# Altium PCB Radio_Receiver.PcbDoc (part 1 of 2)
Units mm, origin at the board's own origin, x right, y up, seen from the top; angles counter-clockwise.
Board outline 171.37 x 56.18 mm, 6 copper layers (Signal, Ground 1, 3V3_5V_12V, Ground 2, -5V_1V9, Ground 3), stack 1.619 mm thick; 106 components, 61 nets, 372 pads, 124 vias.
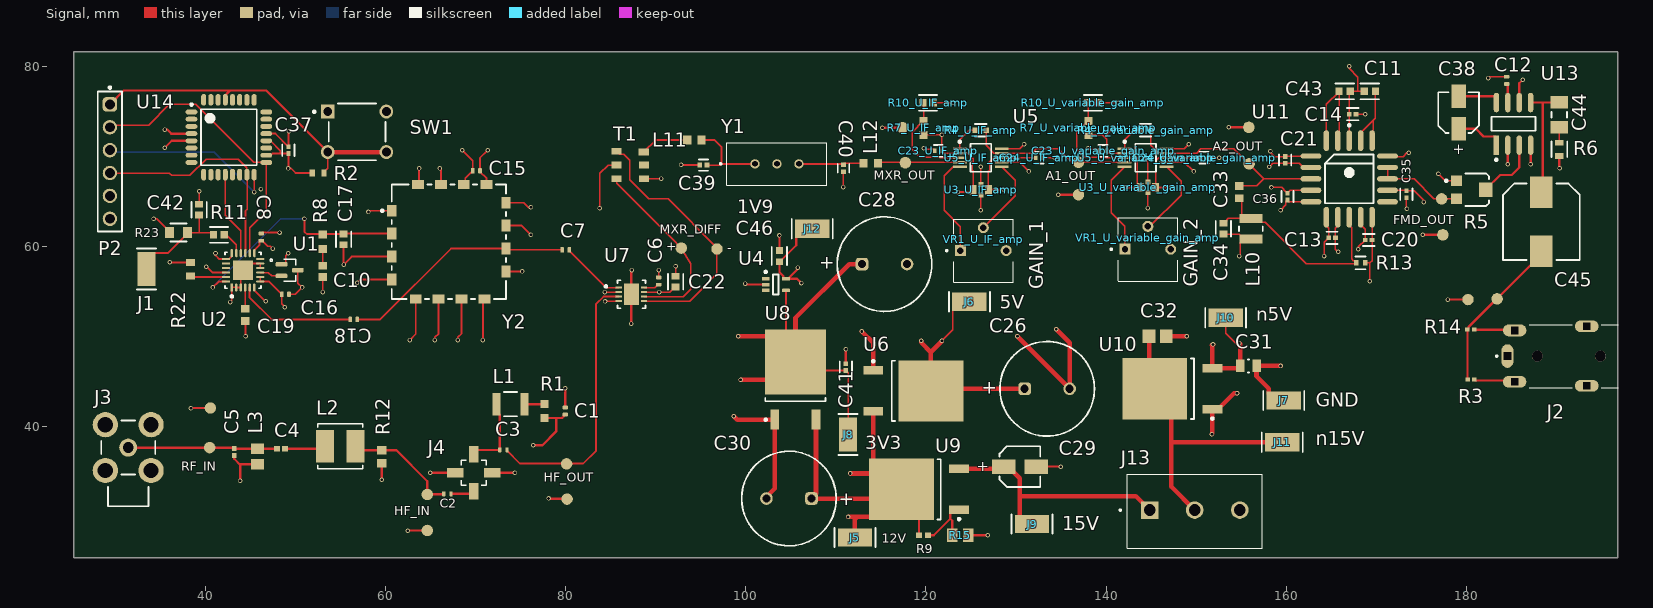
[diagram p0: Signal view]
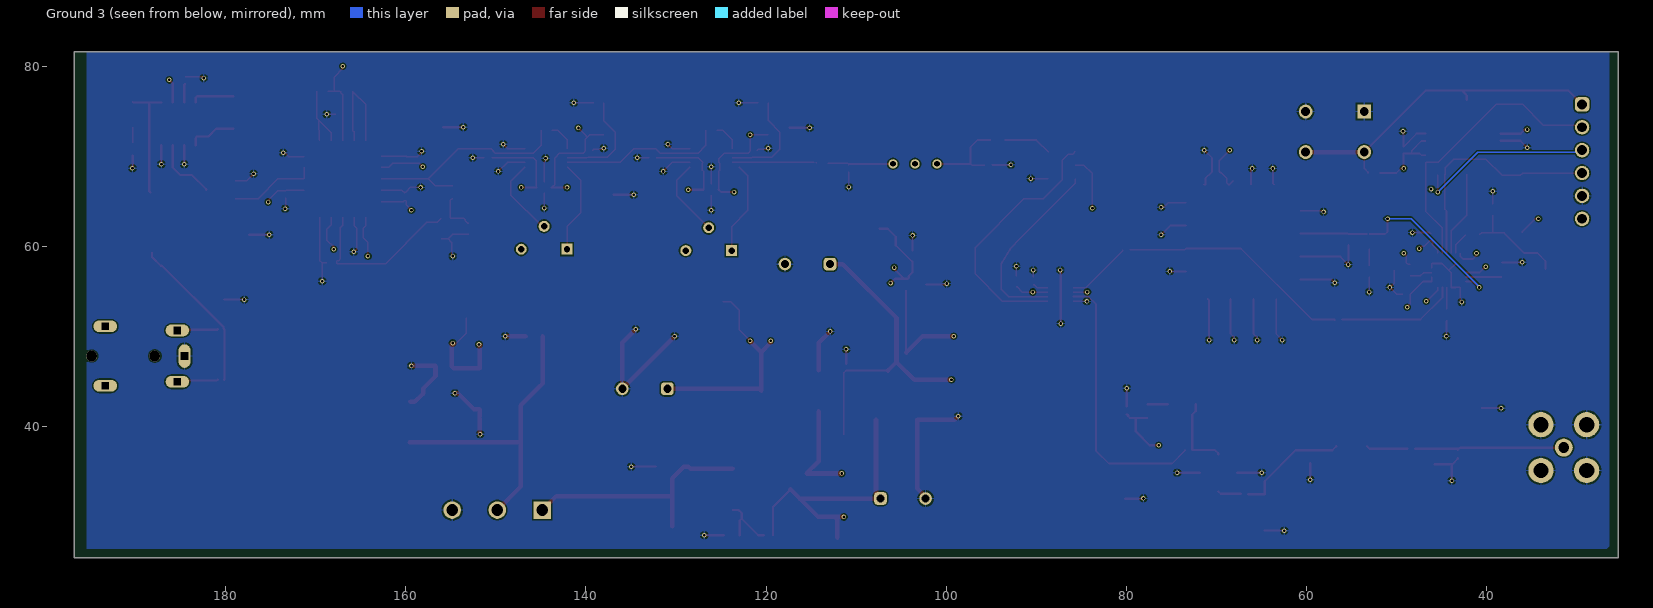
[diagram p1: Ground 3 view, seen from below]
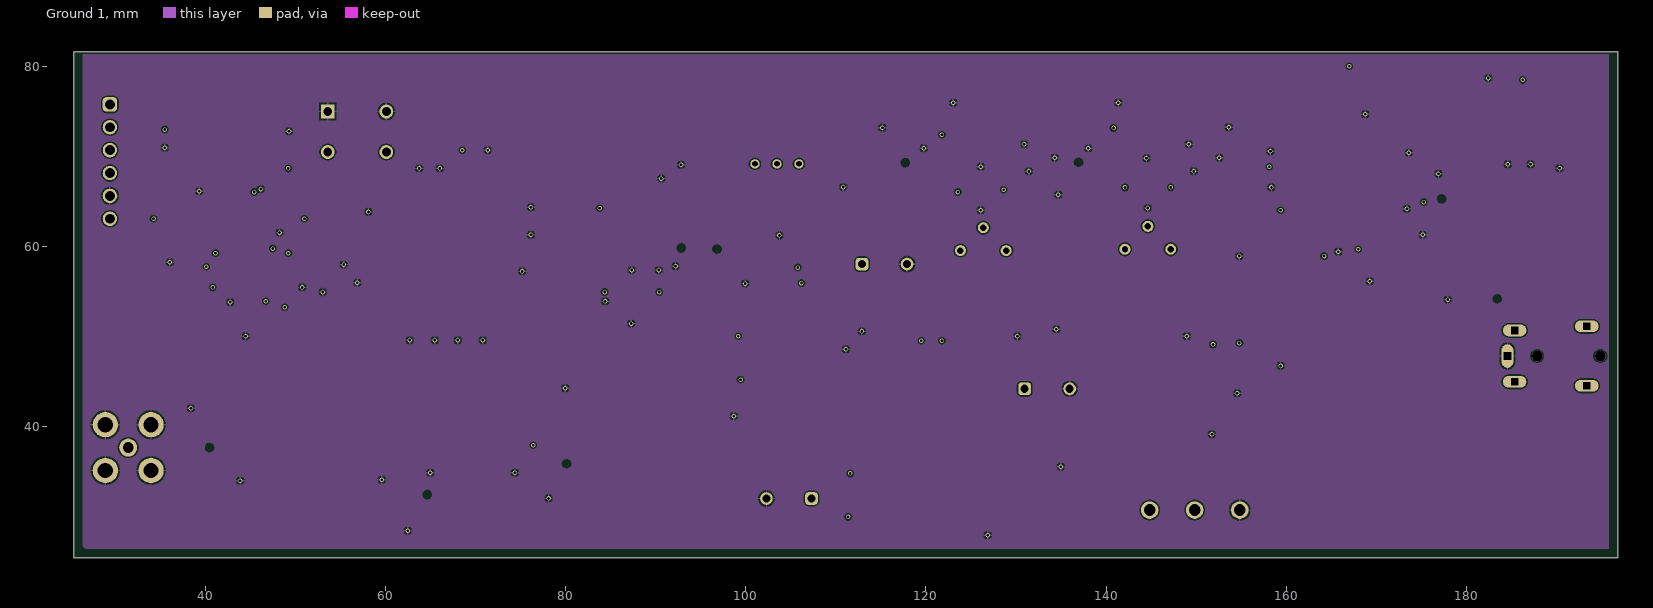
[diagram p2: Ground 1]
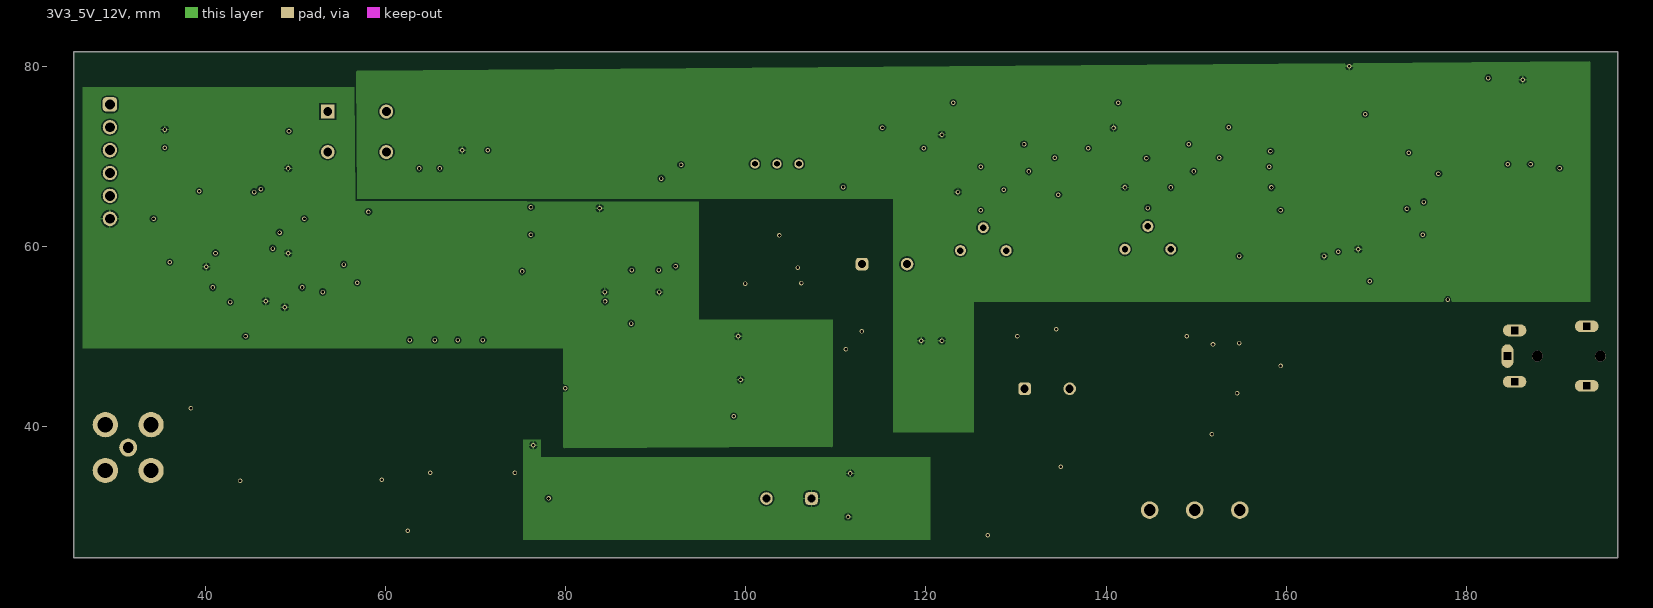
[diagram p3: 3V3_5V_12V]
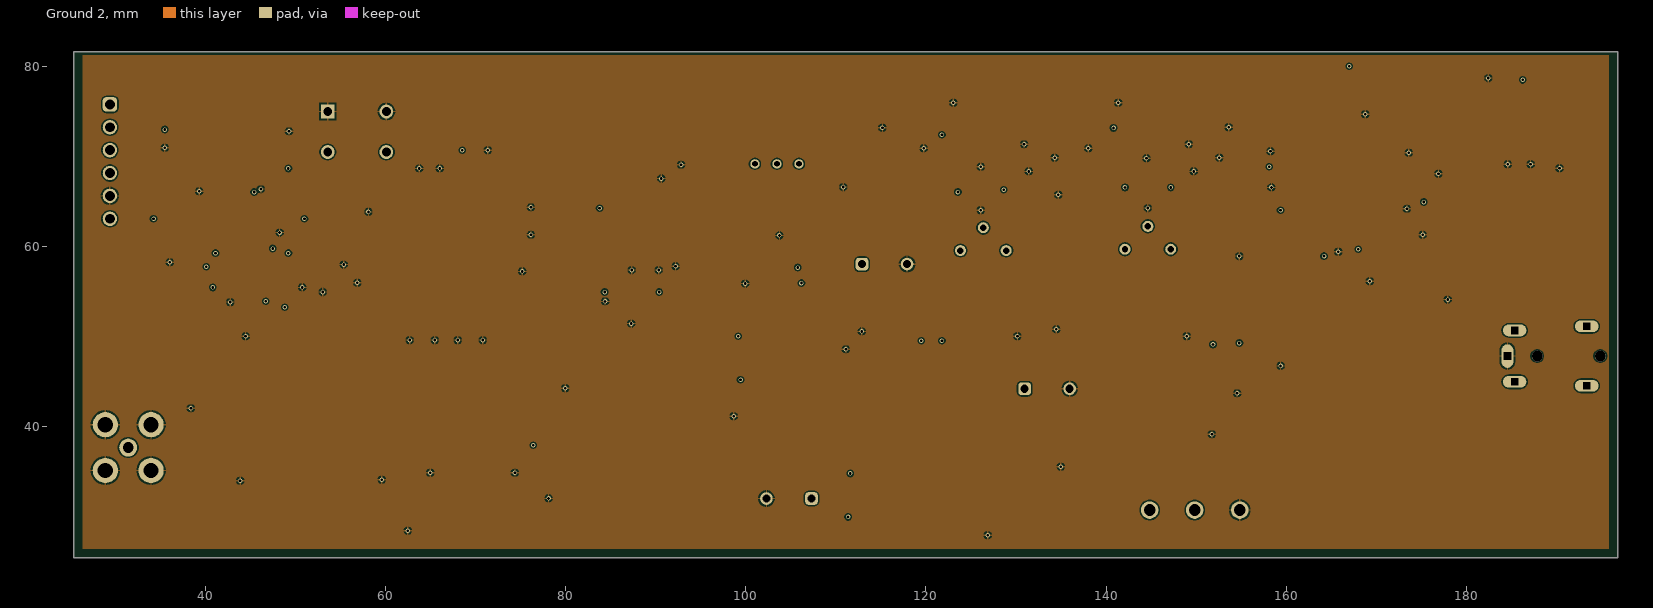
[diagram p4: Ground 2]
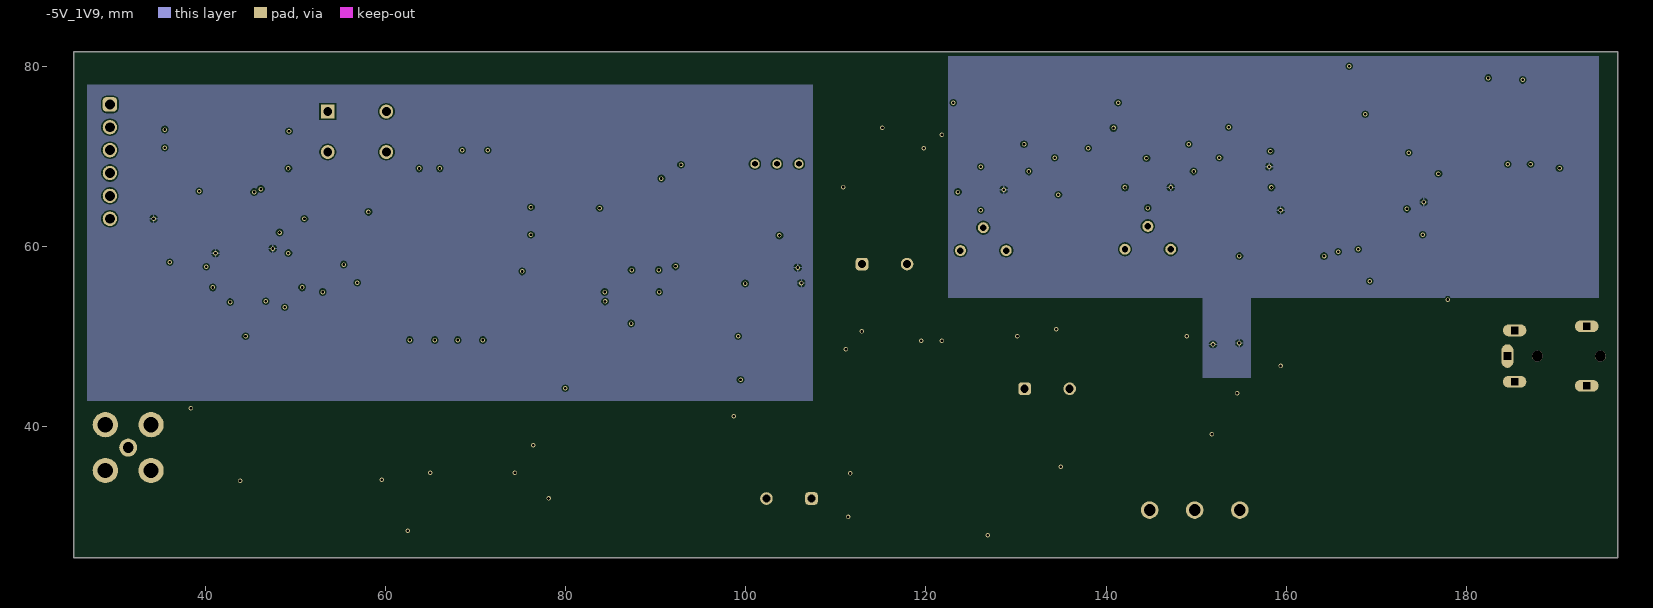
[diagram p5: -5V_1V9]
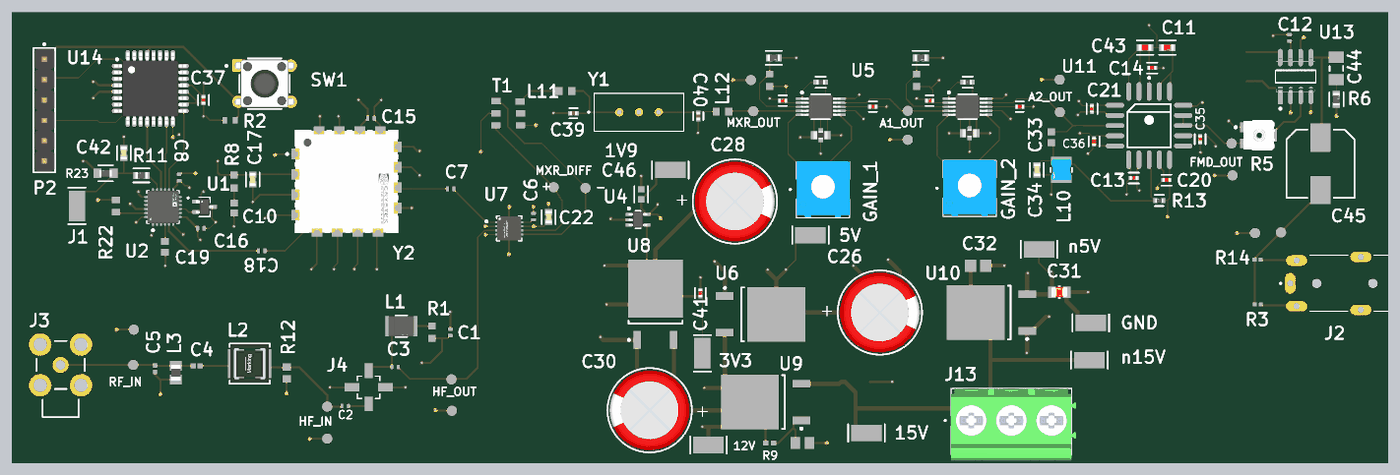
[diagram p7: 3D render of the assembled board from above, using the file's embedded part models]

## Layer stack, top to bottom
Top Solder: solder mask 0.0102, Solder Resist, Dk 3.5
Signal: signal copper 0.0356
Dielectric 1: prepreg 0.0994, PP-006, Dk 4.1
Ground 1: signal copper 0.035
Dielectric 2: core 0.55, PP-006, Dk 4.1
3V3_5V_12V: signal copper 0.035
Dielectric 3: prepreg 0.1088, PP-006, Dk 4.1
Ground 2: signal copper 0.035
Dielectric 4: core 0.55, PP-006, Dk 4.1
-5V_1V9: signal copper 0.035
Dielectric 5: prepreg 0.0994, PP-006, Dk 4.1
Ground 3: signal copper 0.0356
Bottom Solder: solder mask 0.0102, Solder Resist, Dk 3.5

## Board outline
25.4,25.4 196.774,25.4 196.774,81.585 25.4,81.585

## Design rules (kind name [scope] priority, off if disabled: settings)
Clearance [All] p1: gap=0.152 ignorepadtopadclearanceinfootprint=TRUE
MinimumSolderMaskSliver [All] p1: minsoldermaskwidth=0.076
PlaneConnect [All] p1: planeconnectstyle=Relief reliefexpansion=0.5 reliefentries=4 reliefconductorwidth=0.254 reliefairgap=0.254
PolygonConnect [All] p1: connectstyle=Relief reliefconductorwidth=0.2 reliefentries=4 polygonreliefangle="90 Angle" airgapwidth=0.2
RoomDefinition U_LO [InComponentClass('U_LO')] p1: confinementstyle=ConfineIn formatcopy=TRUE lockcomponents=FALSE outline 81.33,48.362 81.33,77.902 28.143,77.902 28.143,48.362
RoomDefinition U_input_stage [InComponentClass('U_input_stage')] p2: confinementstyle=ConfineIn formatcopy=TRUE lockcomponents=FALSE outline 40.589,31.293 61.163,31.293 61.163,42.723 40.589,42.723
RoomDefinition U_HF_amp [InComponentClass('U_HF_amp')] p3: confinementstyle=ConfineIn formatcopy=TRUE lockcomponents=FALSE outline 62.179,30.279 81.991,30.279 81.991,46.535 62.179,46.535
RoomDefinition U_output_stage [InComponentClass('U_output_stage')] p4: confinementstyle=ConfineIn formatcopy=TRUE lockcomponents=FALSE outline 174.701,55.423 193.675,55.423 193.675,81.229 174.701,81.229
RoomDefinition U_power [InComponentClass('U_power')] p5: confinementstyle=ConfineIn formatcopy=TRUE lockcomponents=FALSE outline 169.24,25.4 169.24,64.922 96.749,64.922 96.749,25.4
RoomDefinition U_IF_amp [InComponentClass('U_IF_amp')] p6: confinementstyle=ConfineIn formatcopy=TRUE lockcomponents=FALSE outline 118.237,54.686 134.671,54.686 134.671,78.156 118.237,78.156
RoomDefinition U_variable_gain_amp [InComponentClass('U_variable_gain_amp')] p7: confinementstyle=ConfineIn formatcopy=TRUE lockcomponents=FALSE outline 135.23,54.788 153.314,54.788 153.314,78.156 135.23,78.156
RoomDefinition U_fm_detector [InComponentClass('U_fm_detector')] p8: confinementstyle=ConfineIn formatcopy=TRUE lockcomponents=FALSE outline 153.797,55.55 174.346,55.55 174.346,80.924 153.797,80.924
RoomDefinition U_mixer [InComponentClass('U_mixer')] p9: confinementstyle=ConfineIn formatcopy=TRUE lockcomponents=FALSE outline 77.927,27.127 121.488,27.127 121.488,73.66 77.927,73.66
RoutingVias microvia [IsMicroVia] p1: holewidth=0.076 width=0.152 viastyle="Through Hole" minholewidth=0.051 minwidth=0.102 maxholewidth=0.102 maxwidth=0.203
RoutingVias [All] p2: holewidth=0.3 width=0.5 viastyle="Through Hole" minholewidth=0.3 minwidth=0.5 maxholewidth=0.3 maxwidth=0.5
SilkToSilkClearance [All] p1: silktosilkclearance=0.102
SilkToSolderMaskClearance [IsPad] p1: minsilkscreentomaskgap=0.127 clearancetoexposedcopper=TRUE
SolderMaskExpansion [All] p1: expansion=0.051 istentingtop=FALSE
SupplyNets "Schematic Supply Nets_10" [InNet('+1V9')] p1: voltage=0.000
SupplyNets "Schematic Supply Nets_9" [InNet('+3V3')] p2: voltage=0.000
SupplyNets "Schematic Supply Nets_5" [InNet('+12')] p3: voltage=0.000
SupplyNets "Schematic Supply Nets_4" [InNet('+15')] p4: voltage=0.000
SupplyNets "Schematic Supply Nets_3" [InNet('-15')] p5: voltage=0.000
SupplyNets "Schematic Supply Nets_2" [InNet('+5')] p6: voltage=0.000
SupplyNets "Schematic Supply Nets_1" [InNet('GND')] p7: voltage=0.000
SupplyNets "Schematic Supply Nets" [InNet('-5')] p8: voltage=0.000
Width [All] p1: maxlimit=0.508 minlimit=0.152 preferedwidth=0.254
26 further rules are at their usual default settings.

## Classes and differential pairs
channel class variable_gain_amp: U_IF_amp U_variable_gain_amp
component class U_variable_gain_amp: C23_U_variable_gain_amp C24_U_variable_gain_amp R4_U_variable_gain_amp R7_U_variable_gain_amp R10_U_variable_gain_amp U3_U_variable_gain_amp U4_U_variable_gain_amp U5_U_variable_gain_amp VR1_U_variable_gain_amp
component class U_power: C26 C28 C29 C30 C31 C32 C41 C46 J5 J6 J7 J8 J9 J10 J11 J12 J13 R9 R15 U4 U6 U8 U9 U10
component class U_output_stage: C12 C38 C44 C45 R5 R6 U13
component class U_mixer: C6 C7 C22 C39 C40 L11 L12 T1 U7 Y1
component class U_LO: C8 C10 C15 C16 C17 C18 C19 C42 J1 R8 R11 R22 R23 U1 U2 U3 Y2
component class U_input_stage: C4 C5 L2 L3 R12
component class U_IF_amp: C23_U_IF_amp C24_U_IF_amp R4_U_IF_amp R7_U_IF_amp R10_U_IF_amp U3_U_IF_amp U4_U_IF_amp U5_U_IF_amp VR1_U_IF_amp
component class U_HF_amp: C1 C2 C3 J4 L1 R1
component class U_freq_to_phase: C33 C34 L10
component class U_fm_detector: C11 C13 C14 C20 C21 C35 C36 C43 R13 U11
component class U_ATMEGA328P: C37 P2 R2 SW1 U14

## Components (designator, comment, footprint, x,y, rotation, side; value= is the part's Value field where it differs from the comment)
C1 "935156424610-T3N" PCBComponent_1#1 79.959,41.707 r270 top
C2 "935156424610-T3N" Cap_0402 66.878,32.512 r0 top
C3 "935156424610-T3N" Cap_0402 73.101,37.389 r0 top
C4 "GRM1555C1H2R4BA01D" CAPC1005X55X25NL05T10 48.392,37.512 r0 top
C5 "GRM1555C1H560JA01D" CAPC1005X55X25LL05T10 43.205,37.169 r90 top
C6 "935156424610-T3N" PCBComponent_1#1 90.322,56.134 r270 top
C7 "935156424610-T3N" PCBComponent_1#1 80.01,59.588 r0 top
C8 "935156424610-T3N" PCBComponent_1#1 46.215,61.011 r90 top
C10 "0603B204K160CT" "Cap 0603" 53.035,57.201 r270 top
C11 "06035A820JAT2A" FP-0603-L_1_6_0_15-W_0_81-IPC_C 169.266,77.191 r0 top
C12 "935156424610-T3N" PCBComponent_1#1 184.455,78.41 r270 top
C13 "CL05B104KP5NNNC" FP-CL17-IPC_C 165.077,60.935 r0 top
C14 "CL05B104KP5NNNC" FP-CL17-IPC_C 167.358,74.651 r0 top
C15 "935156424610-T3N" PCBComponent_1#1 70.091,68.377 r0 top
C16 "935156424610-T3N" PCBComponent_1#1 48.901,54.661 r180 top
C17 "C0603C153J3GACTU" FP-C0603C-CF-MFG 55.359,60.757 r270 top value="15,000 pF"
C18 "935156424610-T3N" PCBComponent_1#1 56.483,51.867 r0 top
C19 "GRM1885C1H101JA01D" CAPC1608X90X35NL10T15 44.437,52.375 r90 top
C20 "CL05B104KP5NNNC" FP-CL17-IPC_C 169.136,60.681 r0 top
C21 "CL05B104KP5NNNC" FP-CL17-IPC_C 159.868,69.571 r90 top
C22 "C0603C102K5RACTU" FP-C0603C-CF-MFG 92.202,56.074 r270 top value="1,000 pF"
C23_U_IF_amp "GRM155C80J225KE95D" FP-GRM155-0_05-MFG 121.368,70.587 r180 top (schematic designator C23)
C23_U_variable_gain_amp "GRM155C80J225KE95D" FP-GRM155-0_05-MFG 139.656,70.587 r180 top (schematic designator C23)
C24_U_IF_amp "GRM155C80J225KE95D" FP-GRM155-0_05-MFG 132.582,69.825 r0 top (schematic designator C24)
C24_U_variable_gain_amp "GRM155C80J225KE95D" FP-GRM155-0_05-MFG 150.87,69.825 r0 top (schematic designator C24)
C26 "860240975002" WCAP-AT1H_D10H20 133.452,44.171 r180 top
C28 "860240975002" WCAP-AT1H_D10H20 115.4,58.012 r180 top
C29 "865080340001" WCAP-ASLI_D4H5.5 -1139.574,-1234.465 r180 top
C30 "860240975002" WCAP-AT1H_D10H20 104.79,31.992 r0 top
C31 "CC0805KKX7R7BB105" FP-CC0805-0_85-MFG 155.804,46.711 r180 top value="1 uF"
C32 "GRM219R71H334KA88D" CAPC2013X95X45ML10T25 145.71,50.013 r180 top
C33 "GCM1885C1H100JA16D" CAPC1608X90X35NL10T15 154.788,66.015 r90 top
C34 "C0603C222F5GACTU" FP-C0603C-CF-MFG 153.01,61.951 r270 top value="2,200 pF"
C35 "CL05B104KP5NNNC" FP-CL17-IPC_C 173.33,65.761 r270 top
C36 "CL05B104KP5NNNC" FP-CL17-IPC_C 160.122,65.507 r90 top
C37 "CL05B104KP5NNNC" FP-CL17-IPC_C 49.225,70.663 r90 top
C38 "865080340001" WCAP-ASLI_D4H5.5 1449.121,-1195.168 r270 top
C39 "C0402C390F5GACTU" FP-C0402-BB-MFG 95.296,69.005 r180 top value="39 pF"
C40 "C0402C390F5GACTU" FP-C0402-BB-MFG 110.846,68.65 r270 top value="39 pF"
C41 "CL05B104KP5NNNC" FP-CL17-IPC_C 111.1,46.581 r90 top
C42 "C0603C103K5RACTU" FP-C0603C-CF-MFG 39.319,64.059 r90 top value="10,000 pF"
C43 "06035A820JAT2A" FP-0603-L_1_6_0_15-W_0_81-IPC_C 166.472,77.191 r180 top
C44 "12065C503JAT2A" "Cap 1206" 190.297,74.6 r90 top value=0.05uF
C45 "UUD1V221MNL1GS" NIC-CAPA2-8X10_V 188.316,62.713 r270 top
C46 "CL10B105KP8NNNC" FP-CL10-IPC_C 103.734,58.903 r90 top
J1 "5019" FP-5019-MFG 33.477,57.455 r90 top
J2 "54-00174" TENSILITY_54-00174 191.343,47.803 r90 top
J3 "COAX-F" MCX5.08-H5 31.445,37.643 r90 top
J4 "MAR-8ASM+" WW107_MNC 69.799,34.849 r90 top
J5 "5019" FP-5019-MFG 112.116,27.661 r0 top
J6 "5019" FP-5019-MFG 124.816,53.823 r0 top
J7 "5019" FP-5019-MFG 159.715,42.875 r0 top
J8 "5019" FP-5019-MFG 111.354,39.091 r90 top
J9 "5019" FP-5019-MFG 131.775,29.159 r0 top
J10 "5019" FP-5019-MFG 153.264,52.045 r0 top
J11 "5019" FP-5019-MFG 159.537,38.252 r0 top
J12 "5019" FP-5019-MFG 107.366,61.925 r0 top
J13 "1935174" PHOENIX_1935174 142.331,26.459 r0 top
L1 "LQW32FT100M0HL" FP-LQW32FT_0H-MFG 73.863,42.471 r0 top
L2 "74406043012" WE-LQFS_4828 54.991,37.795 r90 top
L3 "MLF2012D47NMT000" INDC2012X145N 45.796,36.652 r270 top
L10 "LQW2UASR10F00L" FP-LQW2UAS_00-MFG 156.058,61.951 r270 top
L11 "MLF1608E5R6JT000" INDC1608X95N 94.285,71.78 r0 top value=5.6uH
L12 "MLF1608E5R6JT000" INDC1608X95N 113.868,69.215 r0 top value=5.6uH
P2 "61300611121" 61300611121 29.413,69.393 r270 top
R1 "RC0603FR-07226RL" "Res 0603" 77.673,41.709 r270 top
R2 "RC0603FR-074K7L" RESC1608X55X25LL10T15 52.527,68.123 r180 top
R3 "RC0402JR-071KL" RESC1005X40X25LL05T10 180.498,45.187 r0 top
R4_U_IF_amp "PNM0402E5000BST1" FP-PNM0402-MFG 126.086,72.873 r180 top (schematic designator R4)
R4_U_variable_gain_amp "PNM0402E5000BST1" FP-PNM0402-MFG 144.374,72.873 r180 top (schematic designator R4)
R5 "TC33X-2-103E" BOUR-TC33X-2_V 180.696,66.269 r0 top
R6 "RMCF0603FT10R0" FP-RMCF0603-MFG 190.297,70.753 r90 top
R7_U_IF_amp "RT0603BRD0740KL" "Res 0603" 119.736,73.127 r270 top (schematic designator R7)
R7_U_variable_gain_amp "RT0603BRD0740KL" "Res 0603" 138.024,73.127 r270 top (schematic designator R7)
R8 "RN73H1JTTD3050B25" RESC1608X55N 53.035,60.503 r90 top
R9 "ERJ-2RKF2320X" RESC1005X40X25ML05T05 119.728,27.915 r180 top
R10_U_IF_amp "RMCF0603JT10K0" FP-RMCF0603-IPC_C 120.244,75.921 r0 top (schematic designator R10)
R10_U_variable_gain_amp "RMCF0603JT10K0" FP-RMCF0603-IPC_C 138.532,75.921 r0 top (schematic designator R10)
R11 "RMCF0603FT1K30" FP-RMCF0603-IPC_C 41.512,61.265 r180 top
R12 "ERJ-3EKF49R9V" RESC1608X55X30ML15T15 59.588,36.627 r90 top
R13 "RMCF0402FT51R1" FP-RMCF0402-MFG 168.242,58.141 r180 top
R14 "RC0402JR-071KL" RESC1005X40X25LL05T10 180.473,50.775 r0 top
R15 "ERJ-6ENF2001V" RESC2013X70X40NL20T20 123.8,27.915 r180 top
R22 "RC0603FR-075K1L" RESC1608X55X25ML10T15 38.341,57.455 r270 top
R23 "RR0816P-103-D" FP-RR0816-MFG 37.049,61.519 r180 top
SW1 "3-1825910-1" FP-3-1825910-1-MFG 56.845,72.695 r0 top
T1 "WBC16-1TLC" PCBComponent_1#2 87.174,69.012 r270 top
U1 "MAX7375AXR105+T" SOT65P210X110-3N 49.373,57.343 r0 top
U2 "ADF4169CCPZ" FP-CP-24-10-IPC_B 44.195,57.324 r90 top
U3_U_IF_amp "100X14W104MV4T" X14 126.086,66.269 r180 top (schematic designator U3)
U3_U_variable_gain_amp "100X14W104MV4T" X14 144.628,66.523 r180 top (schematic designator U3)
U4 "TPS71519DCKR" DCK0005A_N 103.335,55.743 r0 top
U5_U_IF_amp "VCA824IDGST" DGS0010A_M 126.086,69.825 r0 top (schematic designator U5)
U5_U_variable_gain_amp "VCA824IDGST" DGS0010A_M 144.374,69.825 r0 top (schematic designator U5)
U6 "AZ1117ID-5" DPAK228P990X239-3N 118.598,43.936 r0 top
U7 "LT5560EDD#PBF" FP-DD-8-05-08-1698-MFG 87.3,54.661 r0 top
U8 "AZ1117ID-3.3" DPAK228P990X239-3N 105.512,45.2 r90 top
U9 "AZ1117ID-ADJTRG1" DPAK228P990X239-3N 119.228,33.008 r180 top
U10 "MC79M05CDTRKG" DPAK228P990X239-3N 147.34,44.171 r180 top
U11 "AD831APZ" ADI-P-20A_N 166.98,67.471 r0 top
U13 "LM386MX-1/NOPB" FP-D0008A-IPC_B 185.217,73.584 r90 top
U14 "ATMEGA328PB-AU" ATML-32A_L 42.621,72.095 r0 top
VR1_U_IF_amp "3362P-1-251LF" TRIM_3362P-1-251LF 126.365,59.512 r0 top value="250 Ohm" (schematic designator VR1)
VR1_U_variable_gain_amp "3362P-1-251LF" TRIM_3362P-1-251LF 144.628,59.665 r0 top value="250 Ohm" (schematic designator VR1)
Y1 "ECS-10.7-15A" XTAL_ECS-10.7-15A 103.456,69.139 r0 top
Y2 "CVCO55CL-0060-0110" FP-CVCO55CL-0060-0110-MFG 67.043,60.503 r270 top

## Footprints (in the part's own frame and the unit in brackets; to place one, negate y for a bottom-side part, rotate by r counter-clockwise, add the part's x,y. Pads: shape width x height; smd on the part's side, far side on the other; paste and mask are expansions set on the pad)
61300611121 [mm] "Pin Header, pitch 2.54 mm, THT, Vertical, single row, 6p"
  rrect50% 1.6x1.6 hole 1.1: 1(-6.35,0)
  round 1.6 hole 1.1: 2(-3.81,0) 3(-1.27,0) 4(1.27,0) 5(3.81,0) 6(6.35,0)
  silkscreen extent -8.34,-1.35 7.77,1.35, body extent -7.62,-1.27 7.62,1.27, height 8.57
ADI-P-20A_N [mm] "Leaded Chip Carrier, 20-Leads, Body 9x9mm, Pitch 1.27mm, IPC Medium Density"
  oval 0.6x2.3 smd: 1(0,4.25) 2(-1.27,4.25) 3(-2.54,4.25) 9(-2.54,-4.25) 10(-1.27,-4.25) 11(0,-4.25) 12(1.27,-4.25) 13(2.54,-4.25) 19(2.54,4.25) 20(1.27,4.25)
  oval 2.3x0.6 smd: 4(-4.25,2.54) 5(-4.25,1.27) 6(-4.25,0) 7(-4.25,-1.27) 8(-4.25,-2.54) 14(4.25,-2.54) 15(4.25,-1.27) 16(4.25,0) 17(4.25,1.27) 18(4.25,2.54)
  silkscreen extent -2.7,-2.7 2.7,6.07, body extent -4.52,-4.52 4.52,4.52, height 4.58
ATML-32A_L [mm] "TQFP, 32-Leads, Body 7x7mm, Pitch 0.8mm, IPC High Density"
  oval 1.3x0.55 smd mask+0.076: 1(-4.15,2.8) 2(-4.15,2) 3(-4.15,1.2) 4(-4.15,0.4) 5(-4.15,-0.4) 6(-4.15,-1.2) 7(-4.15,-2) 8(-4.15,-2.8) 17(4.15,-2.8) 18(4.15,-2) 19(4.15,-1.2) 20(4.15,-0.4) 21(4.15,0.4) 22(4.15,1.2) 23(4.15,2) 24(4.15,2.8)
  oval 0.55x1.3 smd mask+0.076: 9(-2.8,-4.15) 10(-2,-4.15) 11(-1.2,-4.15) 12(-0.4,-4.15) 13(0.4,-4.15) 14(1.2,-4.15) 15(2,-4.15) 16(2.8,-4.15) 25(2.8,4.15) 26(2,4.15) 27(1.2,4.15) 28(0.4,4.15) 29(-0.4,4.15) 30(-1.2,4.15) 31(-2,4.15) 32(-2.8,4.15)
  silkscreen extent -4.27,-3.1 3.1,3.75, body extent -4.5,-4.5 4.5,4.5, height 1.2
BOUR-TC33X-2_V [mm] "SMD, 3-Leads, Body 3.8x3.6mm"
  rect 1.2x1.2 smd: 1(-1.8,1) 3(-1.8,-1)
  rect 1.5x1.6 smd: 2(1.45,0)
  silkscreen extent -3.07,-1.8 1.8,1.8, body extent -2,-1.8 1.96,1.8, height 1.15
"Cap 0603" [mm] "Cap 0603"
  rect 0.86x0.94 smd: 1(-0.62,0) 2(0.62,0)
  body extent -0.8,-0.45 0.8,0.45, height 0.6
"Cap 1206" [mm] "Cap 1206"
  rect 1.4x1.9 smd: 1(-1.4,0) 2(1.4,0)
  silkscreen extent -0.3,-0.85 0.3,0.85, body extent -1.75,-0.95 1.75,0.95, height 0.94
Cap_0402 [mil]
  rrect50% 14x22 smd: 1(-16,0) 2(16,0)
CAPC1005X55X25LL05T10 [mm] "Chip Capacitor, 2-Leads, Body 1.00x0.50mm, IPC High Density"
  rect 0.56x0.52 smd: 1(-0.39,0) 2(0.39,0)
  body extent -0.53,-0.28 0.53,0.28, height 0.55
CAPC1005X55X25NL05T10 [mm] "Chip Capacitor, 2-Leads, Body 1.00x0.50mm, IPC Medium Density"
  rect 0.66x0.62 smd: 1(-0.44,0) 2(0.44,0)
  body extent -0.53,-0.28 0.53,0.27, height 0.55
CAPC1608X90X35NL10T15 [mm] "Chip Capacitor, 2-Leads, Body 1.60x0.80mm, IPC Medium Density"
  rect 0.85x0.95 smd: 1(-0.675,0) 2(0.675,0)
  body extent -0.85,-0.45 0.85,0.45, height 0.9
CAPC2013X95X45ML10T25 [mm] "Chip Capacitor, 2-Leads, Body 2.00x1.25mm, IPC Low Density"
  rect 1.4x1.5 smd: 1(-0.95,0) 2(0.95,0)
  body extent -1.05,-0.67 1.05,0.67, height 0.95
DCK0005A_N [mm] "SOT23, 5-Leads, Body 2.15x1.4mm, Pitch 0.65mm, IPC Medium Density"
  rrect25% 0.85x0.4 smd: 1(-1.125,0.65) 2(-1.125,0) 3(-1.125,-0.65) 4(1.125,-0.65) 5(1.125,0.65)
  silkscreen extent -1.25,-1.1 0.3,1.52, body extent -1.14,-1 1.14,1, height 0.94
DGS0010A_M [mm] "SOP, 10-Leads, Body 3.1x3.1mm, Pitch 0.5mm, IPC Low Density"
  rrect33% 1.55x0.3 smd: 1(-2.325,1) 2(-2.325,0.5) 3(-2.325,0) 4(-2.325,-0.5) 5(-2.325,-1) 6(2.325,-1) 7(2.325,-0.5) 8(2.325,0) 9(2.325,0.5) 10(2.325,1)
  silkscreen extent -2.45,-1.55 1.15,1.9, body extent -2.45,-1.5 2.45,1.5, height 0.94
DPAK228P990X239-3N [mm] "D-PAK, 3-Pads, Body 6.20x6.71mm (max), IPC Medium Density"
  rect 2.2x0.95 smd: 1(-4.45,2.28) 3(-4.45,-2.28)
  rect 7.2x6.8 smd: 2(1.95,0)
  silkscreen extent -4.57,-3.35 -2.05,3.43, body extent -2.4,-3.35 3.8,3.35, height 2.39
FP-3-1825910-1-MFG [mm]
  rect 1.54x1.54 hole 0.99 paste-2539.97 mask+0: 1(-3.25,2.25)
  round 1.54 hole 0.99 paste-2539.97 mask+0: 2(3.25,2.25) 3(-3.25,-2.25) 4(3.25,-2.25)
  silkscreen extent -4.87,-3.15 3.15,3.15, body extent -4.12,-3.24 4.12,3.24, height 0.25
FP-0603-L_1_6_0_15-W_0_81-IPC_C [mm]
  rect 0.807x0.868 smd paste+0 mask+0: 1(-0.626,0) 2(0.626,0)
  silkscreen extent -1.03,-0.88 1.03,0.88, body extent -1.13,-0.58 1.13,0.58, height 0.25
FP-5019-MFG [mm]
  rect 3.8x2.03 smd paste+0 mask+0: 1(0,0)
  silkscreen extent -2.27,-1.08 2.27,1.08
FP-C0402-BB-MFG [mm]
  rect 0.52x0.52 smd paste+0 mask+0: 1(-0.4,0) 2(0.4,0)
  silkscreen extent -0.5,-0.64 0.5,0.64, body extent -0.8,-0.4 0.8,0.4, height 0.25
FP-C0603C-CF-MFG [mm]
  rect 0.75x0.9 smd paste+0 mask+0: 1(-0.6,0) 2(0.6,0)
  silkscreen extent -0.87,-0.85 0.88,0.85, body extent -1.2,-0.6 1.2,0.6, height 0.25
FP-CC0805-0_85-MFG [mm]
  rect 0.95x1.4 smd paste+0 mask+0: 1(-0.925,0) 2(0.925,0)
  silkscreen extent -0.08,-0.72 0.08,0.72, body extent -1.6,-1.05 1.6,1.05, height 0.25
FP-CL10-IPC_C [mm]